# Altium PCB PCB1.PcbDoc (part 3 of 4)
Units mm, origin at the board's own origin, x right, y up, seen from the top; angles counter-clockwise.
Board outline 100 x 84 mm, 2 copper layers (Top Layer, Bottom Layer); 156 components, 105 nets, 544 pads, 320 vias.
Unrouted connection lines stored in the file: 2.
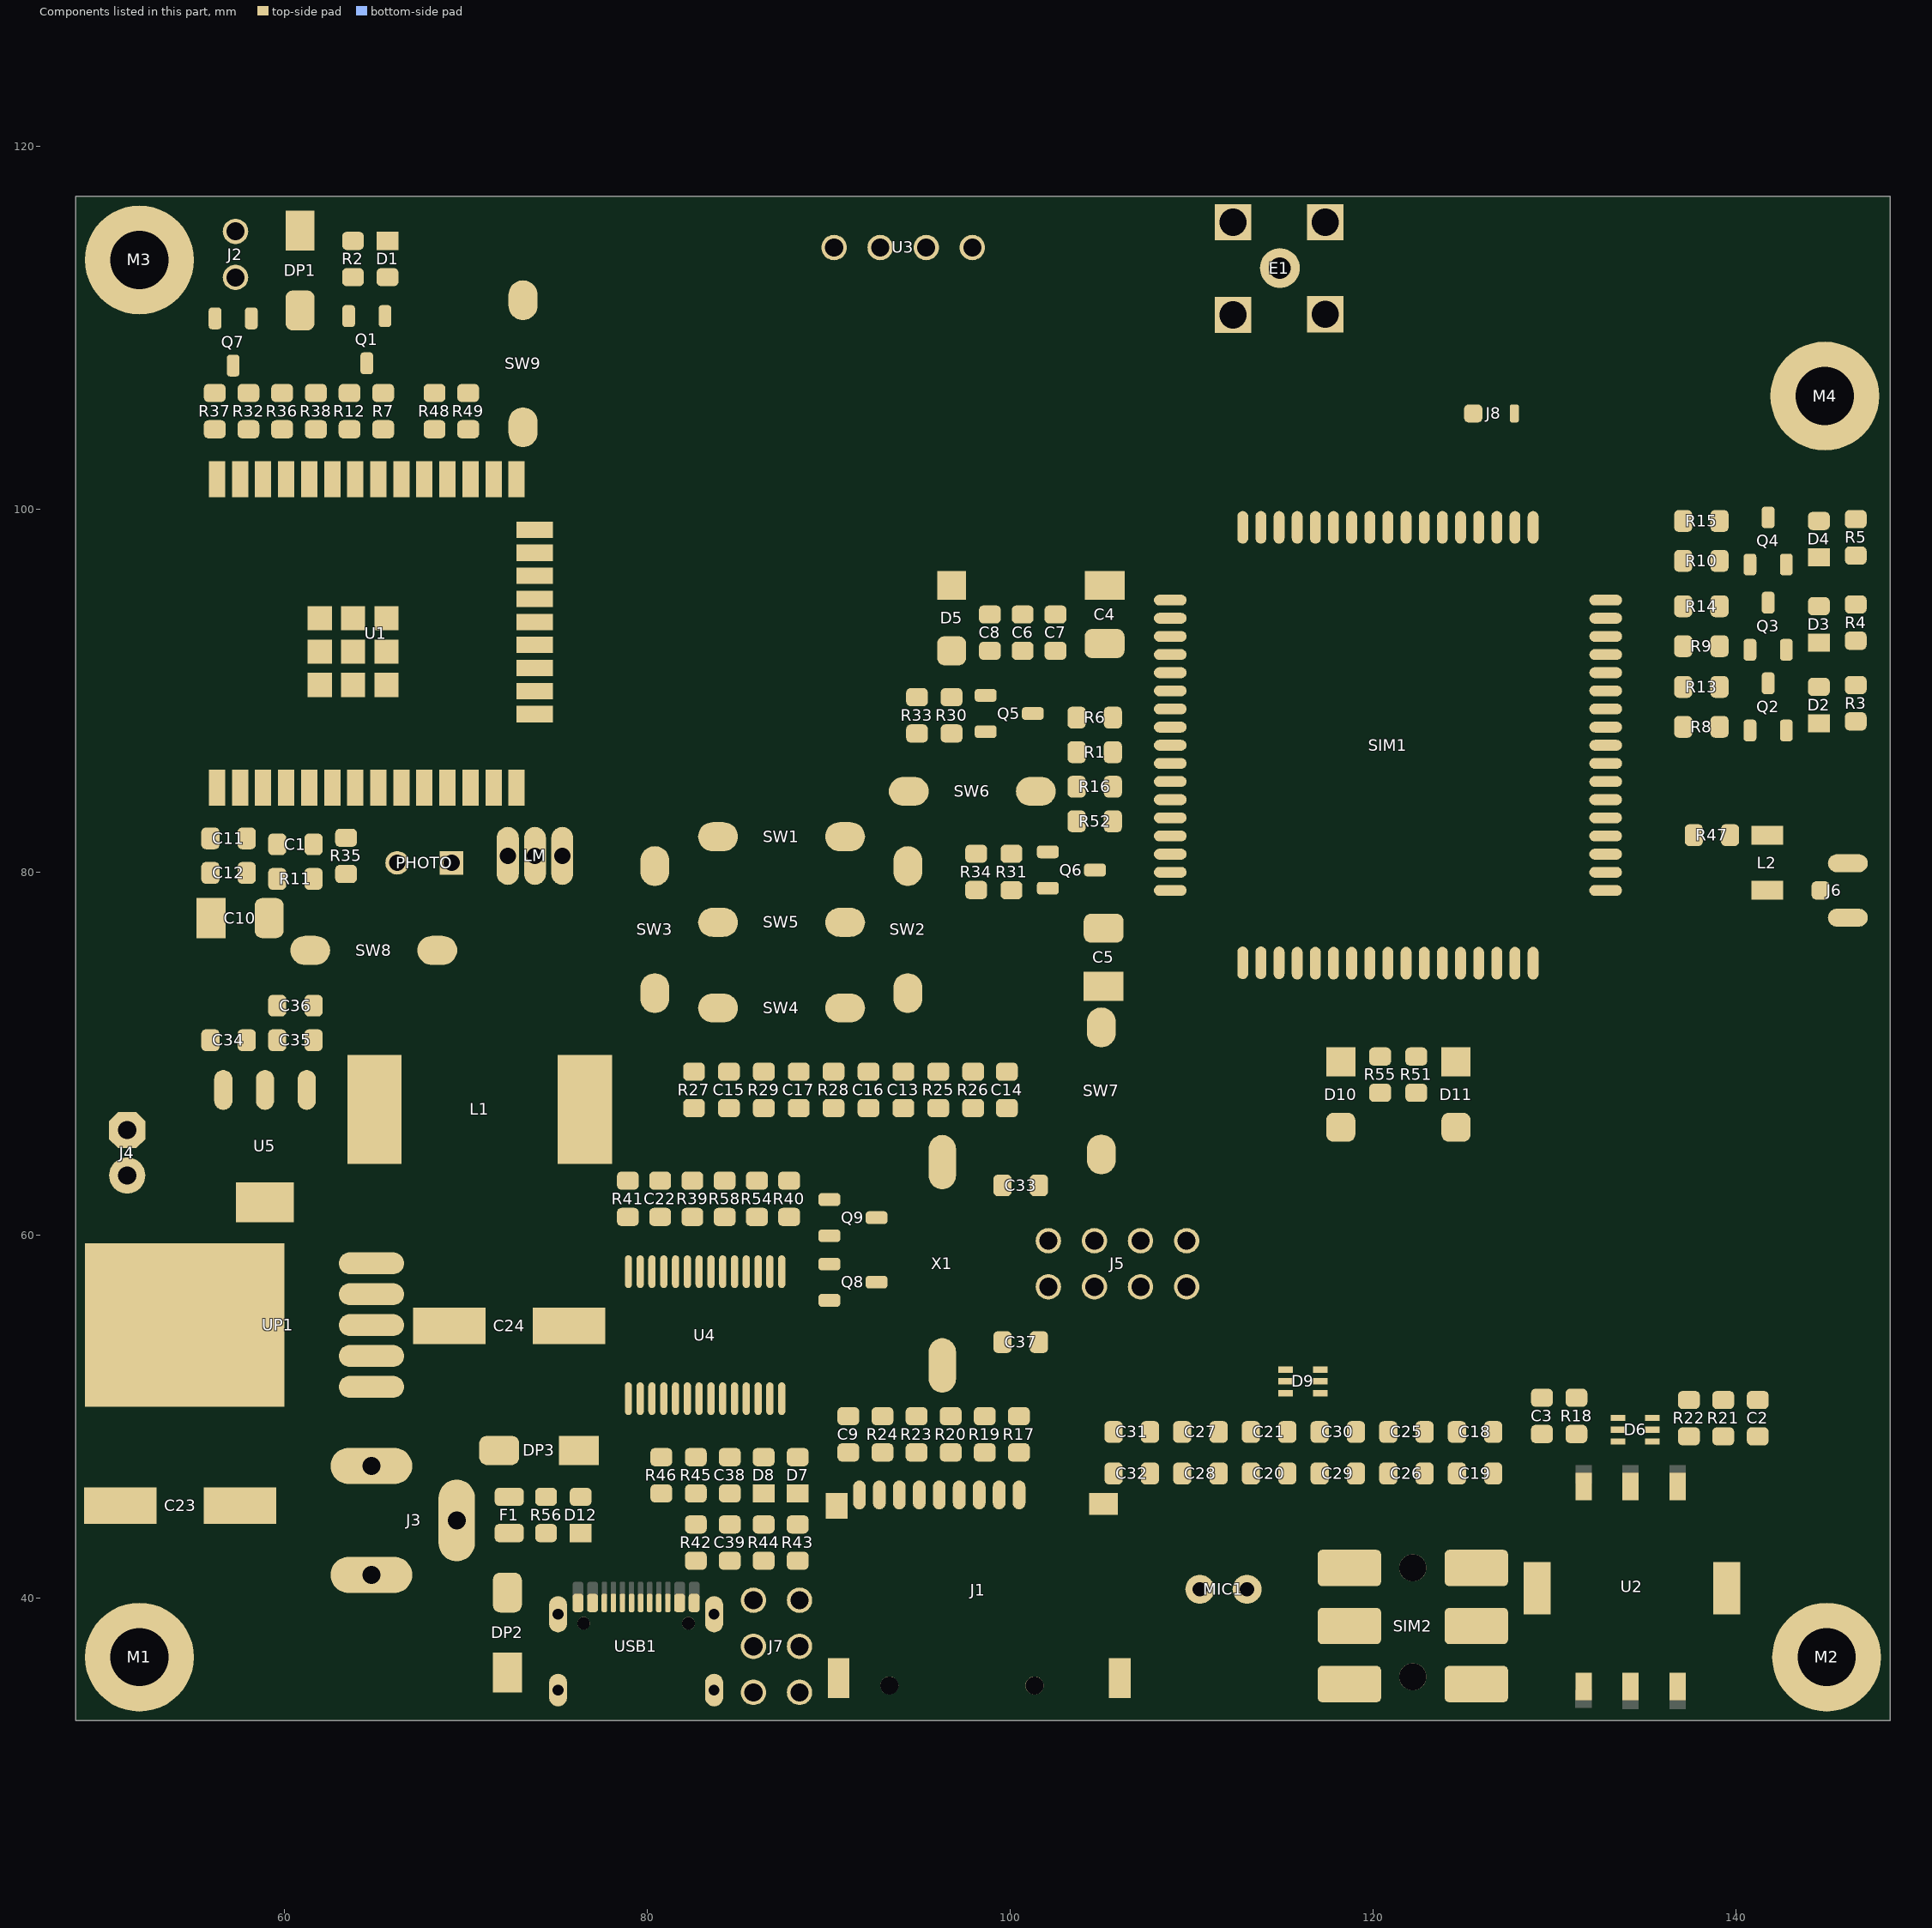
[diagram p3: the components of this part, seen from the top]

## Via types
v1: diameter 0.7, hole 0.5, Top Layer to Bottom Layer, tented both sides, 196 vias
v2: diameter 0.9, hole 0.7, Top Layer to Bottom Layer, tented both sides, 63 vias
v3: diameter 0.8, hole 0.5, Top Layer to Bottom Layer, 32 vias
v4: diameter 0.508, hole 0.381, Top Layer to Bottom Layer, tented both sides, 29 vias

## Nets (pads, with @x,y where several pads share a name; then routed paths per layer and width w, separated by ;. In a path a pad name is that pad's centre, name@x,y a point inside that pad or via, vN(x,y) a via of type N, cw(c..) or ccw(c..) an arc to the next point about the centre after c; other vN are vias at no path point) (continued)
copper on no net: (continued)
  Bottom Layer w0.025: 130.785,61.163 131.115,61.163 ; 130.785,61.189 131.115,61.189 ; 130.785,61.214 131.089,61.214 ; 130.785,61.239 131.089,61.239 ; 130.785,61.265 131.089,61.265 ; 130.785,61.29 131.089,61.29 ; 130.785,61.316 131.089,61.316 ; 130.785,61.341 131.089,61.341 ; 130.785,61.366 131.089,61.366 ; 130.785,61.392 131.089,61.392 ; 130.785,61.417 131.089,61.417 ; 130.785,61.443 131.089,61.443 ; 130.785,61.468 131.089,61.468 ; 130.785,61.493 131.089,61.493 ; 130.785,61.519 131.089,61.519 ; 130.785,61.544 131.089,61.544 ; 130.785,61.57 131.089,61.57 ; 130.785,61.595 131.089,61.595 ; 130.785,61.62 131.089,61.62 ; 130.785,61.646 131.089,61.646 ; 130.785,61.671 131.089,61.671 ; 130.785,61.697 131.089,61.697 ; 130.785,61.722 131.089,61.722 ; 130.785,61.747 131.089,61.747 ; 130.785,61.773 131.089,61.773 ; 130.785,61.798 131.089,61.798 ; 130.785,61.824 131.089,61.824 ; 130.785,61.849 131.089,61.849 ; 130.785,61.874 131.089,61.874 ; 130.785,61.9 131.089,61.9 ; 130.785,61.925 131.089,61.925 ; 130.785,61.951 131.089,61.951 ; 130.785,61.976 131.089,61.976 ; 130.785,62.001 131.089,62.001 ; 130.785,62.027 131.089,62.027 ; 130.785,62.052 131.089,62.052 ; 130.785,62.078 131.089,62.078 ; 130.785,62.103 131.089,62.103 ; 130.785,62.128 131.089,62.128 ; 130.785,62.154 131.089,62.154 ; 130.785,62.179 131.089,62.179 ; 130.785,62.205 131.089,62.205 ; 130.785,62.23 131.089,62.23 ; 130.785,62.255 131.089,62.255 ; 130.785,62.281 131.089,62.281 ; 130.785,62.306 131.089,62.306 ; 130.785,62.332 131.089,62.332 ; 130.785,62.357 131.089,62.357 ; 130.785,62.382 131.089,62.382 ; 130.785,62.408 131.089,62.408 ; 130.785,62.433 131.089,62.433 ; 130.785,62.459 131.089,62.459 ; 130.785,62.484 131.089,62.484 ; 130.785,62.509 131.089,62.509 ; 130.785,62.535 131.089,62.535 ; 130.785,62.56 131.089,62.56 ; 130.785,62.586 131.089,62.586 ; 130.785,62.611 131.089,62.611 ; 130.785,62.636 131.089,62.636 ; 130.785,62.662 131.089,62.662 ; 130.785,62.687 131.089,62.687 ; 130.785,62.713 131.089,62.713 ; 130.785,62.738 131.089,62.738 ; 130.785,62.763 131.089,62.763 ; 130.785,62.789 131.089,62.789 ; 130.785,62.814 131.089,62.814 ; 130.785,62.84 131.089,62.84 ; 130.785,62.865 131.089,62.865 ; 130.785,62.89 131.089,62.89 ; 130.785,62.916 131.089,62.916 ; 130.785,62.941 131.089,62.941 ; 130.785,62.967 131.089,62.967 ; 130.785,62.992 131.089,62.992 ; 130.785,63.017 131.089,63.017 ; 130.785,63.043 131.089,63.043 ; 130.785,63.068 131.089,63.068 ; 130.785,63.094 131.089,63.094 ; 130.785,63.119 131.089,63.119 ; 130.785,63.144 131.089,63.144 ; 130.785,63.17 131.089,63.17 ; 130.785,63.195 131.089,63.195 ; 130.785,63.221 131.089,63.221 ; 130.785,63.246 131.089,63.246 ; 130.785,63.271 131.089,63.271 ; 130.785,63.297 131.089,63.297 ; 130.785,63.322 131.089,63.322 ; 130.785,63.348 131.089,63.348 ; 130.785,63.373 131.089,63.373 ; 130.785,63.398 131.089,63.398 ; 130.785,63.424 131.089,63.424 ; 130.785,63.449 131.089,63.449 ; 130.785,63.475 131.089,63.475 ; 130.785,63.5 131.089,63.5 ; 130.785,63.525 131.089,63.525 ; 130.785,63.551 131.089,63.551 ; 130.785,63.576 131.089,63.576 ; 130.785,63.602 131.089,63.602 ; 130.785,63.627 131.089,63.627 ; 130.785,63.652 131.089,63.652 ; 130.785,63.678 131.089,63.678 ; 130.785,63.703 131.089,63.703 ; 130.785,63.729 131.089,63.729 ; 130.785,63.754 131.089,63.754 ; 130.785,63.779 131.089,63.779 ; 130.785,63.805 131.089,63.805 ; 130.785,63.83 131.089,63.83 ; 130.785,63.856 131.089,63.856 ; 130.785,63.881 131.089,63.881 ; 130.785,63.906 131.089,63.906 ; 130.785,63.932 131.089,63.932 ; 130.785,63.957 131.089,63.957 ; 130.785,63.983 131.089,63.983 ; 130.785,64.008 131.089,64.008 ; 130.785,64.033 131.089,64.033 ; 130.785,64.059 131.089,64.059 ; 130.785,64.084 131.089,64.084 ; 130.785,64.11 131.089,64.11 ; 130.785,64.135 131.089,64.135 ; 130.785,64.16 131.089,64.16 ; 130.785,64.186 131.089,64.186 ; 130.785,64.211 131.089,64.211 ; 130.785,64.237 131.089,64.237 ; 130.785,64.262 131.089,64.262 ; 130.785,64.287 131.089,64.287 ; 130.785,64.313 131.089,64.313 ; 130.785,64.338 131.089,64.338 ; 130.785,64.364 131.089,64.364 ; 130.785,64.389 131.089,64.389 ; 130.785,64.414 131.089,64.414 ; 130.785,64.44 131.089,64.44 ; 130.785,64.465 131.089,64.465 ; 130.785,64.491 131.089,64.491 ; 130.785,64.516 131.089,64.516 ; 130.785,64.541 131.089,64.541 ; 130.785,64.567 131.089,64.567 ; 130.785,64.592 131.089,64.592 ; 130.785,64.618 131.089,64.618 ; 130.785,64.643 131.089,64.643 ; 130.785,64.668 131.089,64.668 ; 130.785,64.694 131.089,64.694 ; 130.785,64.719 131.089,64.719 ; 130.785,64.745 131.089,64.745 ; 130.785,64.77 131.089,64.77 ; 130.785,64.795 131.089,64.795 ; 130.785,64.821 131.089,64.821 ; 130.785,64.846 131.089,64.846 ; 130.785,64.872 131.089,64.872 ; 130.785,64.897 131.089,64.897 ; 130.785,64.922 131.089,64.922 ; 130.785,64.948 131.089,64.948 ; 130.785,64.973 131.089,64.973 ; 130.785,64.999 131.089,64.999 ; 130.785,65.024 131.089,65.024 ; 130.785,65.049 131.089,65.049 ; 130.785,65.075 131.089,65.075 ; 130.785,65.1 131.089,65.1 ; 130.785,65.126 131.089,65.126 ; 130.785,65.151 131.115,65.151 ; 130.785,65.176 131.115,65.176 ; 130.785,65.202 131.14,65.202 ; 130.81,61.087 131.216,61.087 ; 130.81,61.112 131.166,61.112 ; 130.81,61.138 131.14,61.138 ; 130.81,65.227 131.166,65.227 ; 130.81,65.253 131.216,65.253 ; 130.835,61.036 133.375,61.036 ; 130.835,61.062 131.267,61.062 ; 130.835,65.278 131.267,65.278 ; 130.835,65.303 132.359,65.303 ; 130.861,61.011 133.35,61.011 ; 130.861,65.329 132.359,65.329 ; 130.886,60.985 133.325,60.985 ; 130.886,65.354 132.359,65.354 ; 130.886,65.38 132.359,65.38 ; 130.912,60.935 133.299,60.935 ; 130.912,60.96 133.325,60.96 ; 130.912,65.405 132.359,65.405 ; 130.937,60.909 133.274,60.909 ; 130.937,65.43 132.359,65.43 ; 130.962,65.456 132.359,65.456 ; 130.988,60.884 133.248,60.884 ; 131.013,60.858 133.223,60.858 ; 131.013,65.481 132.385,65.481 ; 131.039,60.833 133.198,60.833 ; 131.039,65.507 132.385,65.507 ; 131.089,60.808 133.147,60.808 ; 131.089,65.532 132.436,65.532 ; 131.14,59.893 131.369,59.893 ; 131.14,59.919 131.42,59.919 ; 131.14,59.944 131.42,59.944 ; 131.14,59.969 131.267,59.969 ; 131.14,59.995 131.242,59.995 ; 131.14,60.02 131.242,60.02 ; 131.14,60.046 131.242,60.046 ; 131.14,60.071 131.242,60.071 ; 131.14,60.096 131.242,60.096 ; 131.14,60.122 131.267,60.122 ; 131.14,60.147 131.42,60.147 ; 131.14,60.173 131.394,60.173 ; 131.14,60.198 131.242,60.198 ; 131.14,60.223 131.242,60.223 ; 131.14,60.249 131.242,60.249 ; 131.14,60.274 131.242,60.274 ; 131.14,60.3 131.242,60.3 ; 131.14,60.325 131.242,60.325 ; 131.14,60.35 131.242,60.35 ; 131.14,65.557 132.436,65.557 ; 131.166,60.782 133.121,60.782 ; 131.216,60.757 133.071,60.757 ; 131.216,65.583 132.461,65.583 ; 131.267,60.198 131.369,60.198 ; 131.318,59.969 131.445,59.969 ; 131.318,60.122 131.42,60.122 ; 131.343,59.995 131.445,59.995 ; 131.343,60.02 131.445,60.02 ; 131.343,60.046 131.445,60.046 ; 131.343,60.071 131.445,60.071 ; 131.343,60.096 131.445,60.096 ; 131.496,60.147 131.674,60.147 ; 131.496,60.173 131.674,60.173 ; 131.496,60.198 131.547,60.198 ; 131.496,65.151 132.436,65.151 ; 131.496,65.176 132.41,65.176 ; 131.496,65.202 132.385,65.202 ; 131.496,65.227 132.385,65.227 ; 131.496,65.253 132.385,65.253 ; 131.496,65.278 132.359,65.278 ; 131.521,65.024 133.731,65.024 ; 131.521,65.049 133.731,65.049 ; 131.521,65.075 132.537,65.075 ; 131.521,65.1 132.512,65.1 ; 131.521,65.126 132.461,65.126 ; 131.521,65.608 132.486,65.608 ; 131.521,65.634 132.563,65.634 ; 131.521,65.659 132.588,65.659 ; 131.521,65.684 134.95,65.684 ; 131.521,65.71 134.95,65.71 ; 131.547,60.122 131.674,60.122 ; 131.547,64.948 133.706,64.948 ; 131.547,64.973 133.731,64.973 ; 131.547,64.999 133.731,64.999 ; 131.547,65.735 134.925,65.735 ; 131.547,65.761 134.925,65.761 ; 131.547,65.786 133.706,65.786 ; 131.572,59.893 131.674,59.893 ; 131.572,59.919 131.674,59.919 ; 131.572,59.944 131.674,59.944 ; 131.572,59.969 131.674,59.969 ; 131.572,59.995 131.674,59.995 ; 131.572,60.02 131.674,60.02 ; 131.572,60.046 131.674,60.046 ; 131.572,60.071 131.674,60.071 ; 131.572,60.096 131.674,60.096 ; 131.572,60.198 131.674,60.198 ; 131.572,61.646 132.359,61.646 ; 131.572,61.671 132.334,61.671 ; 131.572,61.697 132.334,61.697 ; 131.572,61.722 132.334,61.722 ; 131.572,61.747 132.334,61.747 ; 131.572,61.773 132.334,61.773 ; 131.572,61.798 132.334,61.798 ; 131.572,61.824 132.334,61.824 ; 131.572,61.849 132.334,61.849 ; 131.572,61.874 132.334,61.874 ; 131.572,61.9 132.334,61.9 ; 131.572,61.925 132.334,61.925 ; 131.572,61.951 132.334,61.951 ; 131.572,61.976 132.334,61.976 ; 131.572,62.001 132.334,62.001 ; 131.572,62.027 132.334,62.027 ; 131.572,62.052 132.334,62.052 ; 131.572,62.078 132.334,62.078 ; 131.572,62.103 132.334,62.103 ; 131.572,62.128 132.334,62.128 ; 131.572,62.154 132.334,62.154 ; 131.572,62.179 132.334,62.179 ; 131.572,62.205 132.334,62.205 ; 131.572,62.23 132.334,62.23 ; 131.572,62.255 132.334,62.255 ; 131.572,62.281 132.334,62.281 ; 131.572,62.306 132.334,62.306 ; 131.572,62.332 132.334,62.332 ; 131.572,62.357 132.334,62.357 ; 131.572,62.382 132.334,62.382 ; 131.572,62.408 132.334,62.408 ; 131.572,62.433 132.334,62.433 ; 131.572,62.459 132.334,62.459 ; 131.572,62.484 132.334,62.484 ; 131.572,62.509 132.334,62.509 ; 131.572,62.535 132.334,62.535 ; 131.572,62.56 132.334,62.56 ; 131.572,62.586 132.334,62.586 ; 131.572,62.611 132.334,62.611 ; 131.572,62.636 132.334,62.636 ; 131.572,62.662 132.334,62.662 ; 131.572,62.687 132.334,62.687 ; 131.572,62.713 132.334,62.713 ; 131.572,62.738 132.334,62.738 ; 131.572,62.763 132.334,62.763 ; 131.572,62.789 132.334,62.789 ; 131.572,62.814 132.334,62.814 ; 131.572,62.84 132.334,62.84 ; 131.572,62.865 132.334,62.865 ; 131.572,62.89 132.334,62.89 ; 131.572,62.916 132.334,62.916 ; 131.572,62.941 132.334,62.941 ; 131.572,62.967 132.334,62.967 ; 131.572,62.992 132.334,62.992 ; 131.572,63.017 132.334,63.017 ; 131.572,63.043 132.334,63.043 ; 131.572,63.068 132.334,63.068 ; 131.572,63.094 132.334,63.094 ; 131.572,63.119 132.334,63.119 ; 131.572,63.144 132.334,63.144 ; 131.572,63.17 132.334,63.17 ; 131.572,63.195 132.334,63.195 ; 131.572,63.221 132.334,63.221 ; 131.572,63.246 132.334,63.246 ; 131.572,63.271 132.334,63.271 ; 131.572,63.297 132.334,63.297 ; 131.572,63.322 132.334,63.322 ; 131.572,63.348 132.334,63.348 ; 131.572,63.373 132.334,63.373 ; 131.572,63.398 132.334,63.398 ; 131.572,63.424 132.334,63.424 ; 131.572,63.449 132.334,63.449 ; 131.572,63.475 132.334,63.475 ; 131.572,64.872 133.706,64.872 ; 131.572,64.897 133.706,64.897 ; 131.572,64.922 133.706,64.922 ; 131.572,65.811 133.706,65.811 ; 131.572,65.837 133.68,65.837 ; 131.572,65.862 133.68,65.862 ; 131.597,61.468 132.461,61.468 ; 131.597,61.493 132.436,61.493 ; 131.597,61.519 132.41,61.519 ; 131.597,61.544 132.385,61.544 ; 131.597,61.57 132.385,61.57 ; 131.597,61.595 132.359,61.595 ; 131.597,61.62 132.359,61.62 ; 131.597,63.5 132.309,63.5 ; 131.597,64.821 133.68,64.821 ; 131.597,64.846 133.68,64.846 ; 131.597,65.888 133.68,65.888 ; 131.623,61.366 133.528,61.366 ; 131.623,61.392 133.528,61.392 ; 131.623,61.417 133.553,61.417 ; 131.623,61.443 133.553,61.443 ; 131.623,64.77 133.655,64.77 ; 131.623,64.795 133.655,64.795 ; 131.623,65.913 133.655,65.913 ; 131.623,65.938 133.655,65.938 ; 131.623,65.964 133.655,65.964 ; 131.648,61.265 133.502,61.265 ; 131.648,61.29 133.502,61.29 ; 131.648,61.316 133.528,61.316 ; 131.648,61.341 133.528,61.341 ; 131.648,64.719 133.604,64.719 ; 131.648,64.745 133.629,64.745 ; 131.648,65.989 133.629,65.989 ; 131.674,61.214 133.477,61.214 ; 131.674,61.239 133.477,61.239 ; 131.674,64.668 133.604,64.668 ; 131.674,64.694 133.604,64.694 ; 131.674,66.015 133.604,66.015 ; 131.674,66.04 133.579,66.04 ; 131.674,66.065 133.579,66.065 ; 131.699,61.163 133.452,61.163 ; 131.699,61.189 133.477,61.189 ; 131.699,64.643 133.553,64.643 ; 131.724,61.112 133.426,61.112 ; 131.724,61.138 133.426,61.138 ; 131.724,64.618 133.553,64.618 ; 131.724,66.091 133.553,66.091 ; 131.724,66.116 133.553,66.116 ; 131.75,61.062 133.401,61.062 ; 131.75,61.087 133.401,61.087 ; 131.75,64.567 133.502,64.567 ; 131.75,64.592 133.528,64.592 ; 131.75,66.142 133.528,66.142 ; 131.775,59.893 131.877,59.893 ; 131.775,59.919 131.877,59.919 ; 131.775,59.944 132.055,59.944 ; 131.775,59.969 131.902,59.969 ; 131.775,59.995 131.877,59.995 ; 131.775,60.02 131.877,60.02 ; 131.775,60.046 132.029,60.046 ; 131.775,60.071 132.029,60.071 ; 131.775,60.096 131.877,60.096 ; 131.775,60.122 131.877,60.122 ; 131.775,64.516 133.452,64.516 ; 131.775,64.541 133.477,64.541 ; 131.775,66.167 133.502,66.167 ; 131.801,60.147 132.029,60.147 ; 131.801,60.173 132.029,60.173 ; 131.801,66.192 133.477,66.192 ; 131.826,64.465 133.426,64.465 ; 131.826,64.491 133.426,64.491 ; 131.826,66.218 133.452,66.218 ; 131.851,60.198 132.004,60.198 ; 131.851,66.243 133.426,66.243 ; 131.877,64.414 133.35,64.414 ; 131.877,64.44 133.375,64.44 ; 131.877,66.269 133.401,66.269 ; 131.902,59.919 132.029,59.919 ; 131.902,66.294 133.375,66.294 ; 131.928,59.893 132.029,59.893 ; 131.928,64.364 133.299,64.364 ; 131.928,64.389 133.325,64.389 ; 131.928,66.319 133.35,66.319 ; 131.953,59.969 132.055,59.969 ; 131.953,59.995 132.055,59.995 ; 131.953,60.02 132.055,60.02 ; 131.953,66.345 133.325,66.345 ; 131.978,66.37 133.299,66.37 ; 132.004,60.122 132.029,60.122 ; 132.004,64.313 133.248,64.313 ; 132.004,64.338 133.274,64.338 ; 132.029,66.396 133.248,66.396 ; 132.029,66.421 133.248,66.421 ; 132.08,64.287 133.198,64.287 ; 132.105,59.995 132.207,59.995 ; 132.105,60.02 132.207,60.02 ; 132.105,60.046 132.207,60.046 ; 132.105,60.071 132.207,60.071 ; 132.105,60.096 132.232,60.096 ; 132.105,60.731 133.045,60.731 ; 132.105,64.262 133.172,64.262 ; 132.105,66.446 133.147,66.446 ; 132.131,59.944 132.41,59.944 ; 132.131,59.969 132.232,59.969 ; 132.131,60.122 132.232,60.122 ; 132.131,60.147 132.41,60.147 ; 132.131,66.472 133.121,66.472 ; 132.156,59.919 132.385,59.919 ; 132.156,60.173 132.385,60.173 ; 132.156,60.706 132.994,60.706 ; 132.182,64.237 133.096,64.237 ; 132.207,59.893 132.334,59.893 ; 132.207,60.198 132.334,60.198 ; 132.207,64.211 133.071,64.211 ; 132.207,66.497 133.045,66.497 ; 132.232,60.681 132.918,60.681 ; 132.258,66.523 133.02,66.523 ; 132.309,59.969 132.41,59.969 ; 132.309,60.122 132.436,60.122 ; 132.309,60.655 132.842,60.655 ; 132.309,64.186 132.969,64.186 ; 132.334,59.995 132.436,59.995 ; 132.334,60.02 132.436,60.02 ; 132.334,60.046 132.436,60.046 ; 132.334,60.071 132.436,60.071 ; 132.334,60.096 132.436,60.096 ; 132.359,61.925 132.512,61.925 ; 132.359,61.951 133.68,61.951 ; 132.359,61.976 134.62,61.976 ; 132.359,62.001 133.528,62.001 ; 132.359,62.027 133.528,62.027 ; 132.359,62.052 133.528,62.052 ; 132.359,62.078 133.528,62.078 ; 132.359,62.103 133.502,62.103 ; 132.359,62.128 133.502,62.128 ; 132.359,62.154 133.477,62.154 ; 132.359,62.179 133.477,62.179 ; 132.359,62.205 133.477,62.205 ; 132.359,62.23 133.452,62.23 ; 132.359,62.255 133.452,62.255 ; 132.359,62.281 133.426,62.281 ; 132.359,62.306 133.401,62.306 ; 132.359,62.332 133.401,62.332 ; 132.359,62.357 133.375,62.357 ; 132.359,62.382 133.35,62.382 ; 132.359,62.408 133.35,62.408 ; 132.359,62.433 133.325,62.433 ; 132.359,62.459 133.299,62.459 ; 132.359,62.484 133.274,62.484 ; 132.359,62.509 133.248,62.509 ; 132.359,62.535 133.223,62.535 ; 132.359,62.56 133.198,62.56 ; 132.359,62.586 133.172,62.586 ; 132.359,62.611 133.121,62.611 ; 132.359,62.636 133.096,62.636 ; 132.359,62.662 133.071,62.662 ; 132.359,62.687 133.02,62.687 ; 132.359,62.713 132.969,62.713 ; 132.359,62.738 132.893,62.738 ; 132.359,62.763 132.817,62.763 ; 132.359,64.16 132.918,64.16 ; 132.359,66.548 132.867,66.548 ; 132.385,61.9 132.436,61.9 ; 132.385,62.789 132.664,62.789 ; 132.385,66.573 132.436,66.573 ; 132.41,60.63 132.74,60.63 ; 132.461,66.573 132.486,66.573 ; 132.486,59.995 132.588,59.995 ; 132.486,60.02 132.588,60.02 ; 132.486,60.046 132.588,60.046 ; 132.486,60.071 132.588,60.071 ; 132.486,60.096 132.588,60.096 ; 132.486,60.122 132.613,60.122 ; 132.512,59.944 132.791,59.944 ; 132.512,59.969 132.613,59.969 ; 132.512,60.147 132.791,60.147 ; 132.512,60.173 132.664,60.173 ; 132.512,66.573 132.766,66.573 ; 132.537,59.919 132.791,59.919 ; 132.537,60.198 132.639,60.198 ; 132.563,59.893 132.664,59.893 ; 132.639,61.925 133.629,61.925 ; 132.664,59.969 132.791,59.969 ; 132.664,60.122 132.791,60.122 ; 132.664,61.468 133.553,61.468 ; 132.69,59.893 132.791,59.893 ; 132.69,59.995 132.791,59.995 ; 132.69,60.02 132.791,60.02 ; 132.69,60.046 132.791,60.046 ; 132.69,60.071 132.791,60.071 ; 132.69,60.096 132.791,60.096 ; 132.69,60.173 132.791,60.173 ; 132.69,60.198 132.791,60.198 ; 132.69,60.223 132.791,60.223 ; 132.69,60.249 132.791,60.249 ; 132.69,60.274 132.791,60.274 ; 132.69,60.3 132.791,60.3 ; 132.69,60.325 132.791,60.325 ; 132.69,60.35 132.791,60.35 ; 132.69,61.9 133.553,61.9 ; 132.69,65.659 134.95,65.659 ; 132.715,61.493 133.553,61.493 ; 132.715,65.634 134.95,65.634 ; 132.74,61.519 133.553,61.519 ; 132.74,61.874 133.553,61.874 ; 132.74,65.075 133.756,65.075 ; 132.766,61.544 133.579,61.544 ; 132.766,61.824 133.579,61.824 ; 132.766,61.849 133.579,61.849 ; 132.766,65.1 133.756,65.1 ; 132.791,61.57 133.579,61.57 ; 132.791,61.595 133.579,61.595 ; 132.791,61.798 133.579,61.798 ; 132.791,65.583 133.858,65.583 ; 132.791,65.608 133.883,65.608 ; 132.791,66.573 132.842,66.573 ; 132.817,61.62 133.579,61.62 ; 132.817,61.646 133.579,61.646 ; 132.817,61.671 133.579,61.671 ; 132.817,61.697 133.579,61.697 ; 132.817,61.722 133.579,61.722 ; 132.817,61.747 133.579,61.747 ; 132.817,61.773 133.579,61.773 ; 132.817,65.126 133.756,65.126 ; 132.842,65.151 133.756,65.151 ; 132.842,65.532 133.756,65.532 ; 132.842,65.557 133.756,65.557 ; 132.867,65.176 133.756,65.176 ; 132.867,65.202 133.756,65.202 ; 132.867,65.507 133.756,65.507 ; 132.893,65.227 133.756,65.227 ; 132.893,65.253 133.782,65.253 ; 132.893,65.278 133.782,65.278 ; 132.893,65.303 133.782,65.303 ; 132.893,65.43 133.782,65.43 ; 132.893,65.456 133.782,65.456 ; 132.893,65.481 133.782,65.481 ; 132.918,65.329 133.782,65.329 ; 132.918,65.354 133.782,65.354 ; 132.918,65.38 133.782,65.38 ; 132.918,65.405 133.782,65.405 ; 133.274,59.919 133.452,59.919 ; 133.274,59.944 133.477,59.944 ; 133.274,59.969 133.299,59.969 ; 133.274,60.122 133.299,60.122 ; 133.274,60.147 133.477,60.147 ; 133.274,60.173 133.452,60.173 ; 133.274,60.198 133.401,60.198 ; 133.299,59.893 133.452,59.893 ; 133.375,59.969 133.502,59.969 ; 133.375,60.122 133.477,60.122 ; 133.401,59.995 133.502,59.995 ; 133.401,60.02 133.502,60.02 ; 133.401,60.046 133.502,60.046 ; 133.401,60.071 133.502,60.071 ; 133.401,60.096 133.502,60.096 ; 133.553,62.001 134.62,62.001 ; 133.553,62.027 134.62,62.027 ; 133.553,62.052 134.62,62.052 ; 133.553,62.078 134.62,62.078 ; 133.553,62.103 134.595,62.103 ; 133.553,62.128 134.595,62.128 ; 133.553,62.154 134.595,62.154 ; 133.553,62.179 134.595,62.179 ; 133.553,62.205 134.595,62.205 ; 133.553,62.23 134.569,62.23 ; 133.553,62.255 134.569,62.255 ; 133.553,62.281 134.569,62.281 ; 133.553,62.306 134.544,62.306 ; 133.553,62.332 134.544,62.332 ; 133.553,62.357 134.518,62.357 ; 133.553,62.382 134.518,62.382 ; 133.553,62.408 134.493,62.408 ; 133.553,62.433 134.493,62.433 ; 133.553,62.459 134.468,62.459 ; 133.553,62.484 134.442,62.484 ; 133.553,62.509 134.442,62.509 ; 133.553,62.535 134.417,62.535 ; 133.553,62.56 134.391,62.56 ; 133.553,62.586 134.366,62.586 ; 133.553,62.611 134.341,62.611 ; 133.553,62.636 134.315,62.636 ; 133.553,62.662 134.29,62.662 ; 133.553,62.687 134.264,62.687 ; 133.553,62.713 134.214,62.713 ; 133.553,62.738 134.163,62.738 ; 133.553,62.763 134.112,62.763 ; 133.579,59.893 133.68,59.893 ; 133.579,59.919 133.68,59.919 ; 133.579,59.944 133.68,59.944 ; 133.579,59.969 133.68,59.969 ; 133.579,59.995 133.68,59.995 ; 133.579,60.02 133.68,60.02 ; 133.579,60.046 133.68,60.046 ; 133.579,60.071 133.68,60.071 ; 133.579,60.096 133.68,60.096 ; 133.579,60.122 133.68,60.122 ; 133.579,60.147 133.68,60.147 ; 133.579,60.173 133.68,60.173 ; 133.579,60.198 133.68,60.198 ; 133.579,60.3 133.68,60.3 ; 133.579,60.325 133.68,60.325 ; 133.579,62.789 134.036,62.789 ; 133.604,60.274 133.655,60.274 ; 133.604,60.35 133.655,60.35 ; 133.731,65.786 